# KiCad board haptic display 8x8 aisler.kicad_pcb (continued)
## Routing (per net, layer and track width the routed paths; a pad name or vN(x,y) marks a point on that pad's centre or on a via; arc(x,y) is an arc through that point) (continued)
123.09,79 122.99,79.24 122.92,79.49 122.87,79.74 122.86,80 122.88,80.26 122.93,80.51 123.01,80.75 123.12,80.98 123.26,81.2 123.42,81.4 123.6,81.57 123.81,81.73 124.03,81.85 124.26,81.95 124.5,82.02 124.75,82.06 125,82.08 125.25,82.06 125.49,82.01 125.73,81.93 125.96,81.82 126.17,81.69 126.36,81.53 126.53,81.35 126.68,81.16 126.8,80.94 126.9,80.72 126.96,80.48 127,80.24 127.01,80 126.99,79.76 126.94,79.52 126.87,79.29 126.76,79.07 126.64,78.87 126.48,78.68 126.31,78.52 126.12,78.38 125.92,78.26 125.7,78.16 125.47,78.1 125.24,78.06 125,78.05 124.75,78.07 124.5,78.13 124.26,78.21 124.04,78.33 123.83,78.47 123.64,78.64 123.48,78.84 123.35,79.05 123.24,79.27 123.17,79.51 123.12,79.75 123.11,80 123.13,80.25 123.19,80.49 123.27,80.72 123.38,80.93 123.52,81.13 123.69,81.31 123.87,81.47 124.08,81.6 124.3,81.7 124.52,81.77 124.76,81.81 125,81.83 125.24,81.8 125.47,81.75 125.69,81.67 125.9,81.56 126.1,81.43 126.27,81.27 126.42,81.09 126.54,80.89 126.64,80.68 126.71,80.46 126.75,80.23 126.76,80 126.74,79.77 126.69,79.55 126.61,79.33 126.51,79.13 126.38,78.94 126.22,78.78 126.05,78.63 125.86,78.51 125.66,78.41 125.44,78.35 125.22,78.31 125,78.3 124.76,78.32 124.52,78.38 124.3,78.47 124.09,78.59 123.91,78.74 123.74,78.91 123.6,79.1 123.49,79.31 123.42,79.54 123.37,79.77 123.36,80 123.38,80.23 123.44,80.46 123.53,80.67 123.64,80.87 123.78,81.05 123.95,81.21 124.14,81.34 124.34,81.45 124.55,81.52 124.78,81.56 125,81.58 125.22,81.55 125.44,81.5 125.65,81.42 125.84,81.31 126.01,81.17 126.16,81.01 126.29,80.83 126.39,80.64 126.46,80.43 126.5,80.22 126.51,80 126.49,79.79 126.44,79.58 126.36,79.38 126.25,79.19 126.12,79.03 125.97,78.88 125.8,78.76 125.61,78.67 125.41,78.6 125.21,78.56 125,78.55 125,78.6 124.63,78.97 124.59,78.98 ; v1(125.35,60) 125,60.35 125,60.55 124.68,60.56 124.37,60.6 124.06,60.66 123.75,60.74 123.45,60.84 123.16,60.97 122.88,61.11 122.61,61.28 122.35,61.46 122.1,61.66 121.88,61.88 121.66,62.11 121.47,62.36 121.29,62.62 121.13,62.89 120.99,63.17 120.88,63.46 120.78,63.76 120.7,64.07 120.65,64.37 120.62,64.69 120.61,65 120.63,65.31 120.66,65.62 120.72,65.93 120.8,66.23 120.9,66.53 121.02,66.82 121.17,67.09 121.33,67.36 121.51,67.61 121.71,67.85 121.92,68.08 122.15,68.29 122.39,68.48 122.65,68.66 122.92,68.81 123.2,68.95 123.48,69.07 123.78,69.16 124.08,69.23 124.38,69.29 124.69,69.32 125,69.33 125.31,69.31 125.61,69.28 125.92,69.22 126.22,69.14 126.51,69.04 126.79,68.92 127.06,68.78 127.33,68.62 127.58,68.44 127.81,68.25 128.04,68.04 128.24,67.81 128.43,67.57 128.6,67.32 128.76,67.05 128.89,66.78 129.01,66.49 129.1,66.2 129.17,65.91 129.22,65.61 129.25,65.3 129.26,65 129.25,64.7 129.21,64.39 129.16,64.1 129.08,63.8 128.98,63.52 128.86,63.24 128.72,62.97 128.57,62.71 128.39,62.46 128.2,62.23 127.99,62.01 127.77,61.8 127.53,61.62 127.28,61.45 127.02,61.3 126.75,61.16 126.47,61.05 126.19,60.96 125.89,60.89 125.6,60.84 125.3,60.81 125,60.8 124.69,60.81 124.37,60.85 124.07,60.91 123.77,61 123.47,61.1 123.19,61.23 122.91,61.38 122.65,61.55 122.4,61.74 122.16,61.94 121.95,62.17 121.74,62.4 121.56,62.66 121.4,62.92 121.26,63.2 121.13,63.48 121.03,63.78 120.96,64.08 120.9,64.38 120.87,64.69 120.86,65 120.88,65.31 120.91,65.62 120.97,65.92 121.06,66.22 121.16,66.51 121.29,66.79 121.43,67.06 121.6,67.32 121.79,67.56 121.99,67.79 122.21,68.01 122.44,68.21 122.69,68.39 122.95,68.55 123.22,68.69 123.51,68.81 123.8,68.91 124.09,68.98 124.39,69.04 124.7,69.07 125,69.08 125.3,69.06 125.61,69.02 125.9,68.96 126.2,68.88 126.48,68.78 126.76,68.66 127.03,68.51 127.28,68.35 127.52,68.17 127.75,67.97 127.96,67.75 128.16,67.52 128.33,67.27 128.49,67.02 128.63,66.75 128.75,66.47 128.85,66.19 128.92,65.89 128.97,65.6 129,65.3 129.01,65 129,64.7 128.96,64.4 128.9,64.11 128.82,63.82 128.72,63.54 128.6,63.27 128.46,63 128.3,62.75 128.12,62.51 127.92,62.29 127.71,62.08 127.48,61.89 127.24,61.72 126.99,61.56 126.72,61.43 126.45,61.31 126.17,61.21 125.88,61.14 125.59,61.09 125.3,61.06 125,61.05 124.69,61.07 124.38,61.1 124.08,61.17 123.78,61.26 123.49,61.37 123.22,61.5 122.95,61.65 122.69,61.82 122.45,62.02 122.23,62.23 122.02,62.46 121.83,62.7 121.67,62.96 121.52,63.23 121.39,63.51 121.29,63.79 121.21,64.09 121.15,64.39 121.12,64.69 121.11,65 121.13,65.3 121.17,65.61 121.23,65.91 121.31,66.2 121.42,66.48 121.55,66.76 121.7,67.02 121.88,67.27 122.07,67.51 122.27,67.73 122.5,67.93 122.74,68.11 122.99,68.28 123.25,68.42 123.53,68.55 123.81,68.65 124.1,68.73 124.4,68.78 124.7,68.82 125,68.83 125.3,68.81 125.6,68.77 125.89,68.71 126.18,68.63 126.46,68.52 126.73,68.39 126.99,68.24 127.23,68.07 127.47,67.89 127.68,67.68 127.88,67.46 128.06,67.23 128.23,66.98 128.37,66.72 128.49,66.45 128.59,66.17 128.67,65.88 128.72,65.59 128.75,65.3 128.76,65 128.75,64.71 128.71,64.41 128.65,64.12 128.57,63.84 128.46,63.57 128.34,63.3 128.19,63.05 128.02,62.8 127.84,62.57 127.64,62.36 127.42,62.17 127.19,61.99 126.94,61.83 126.69,61.69 126.42,61.57 126.15,61.47 125.87,61.39 125.58,61.34 125.29,61.31 125,61.3 124.69,61.32 124.39,61.36 124.09,61.42 123.8,61.51 123.52,61.63 123.25,61.76 122.99,61.92 122.74,62.1 122.51,62.3 122.3,62.52 122.11,62.75 121.94,63 121.78,63.26 121.65,63.53 121.55,63.81 121.46,64.1 121.41,64.4 121.37,64.7 121.36,65 121.38,65.3 121.42,65.6 121.48,65.89 121.57,66.18 121.68,66.45 121.82,66.72 121.97,66.98 122.15,67.22 122.35,67.44 122.56,67.65 122.79,67.84 123.03,68.01 123.29,68.16 123.56,68.29 123.83,68.39 124.12,68.48 124.41,68.53 124.7,68.57 125,68.58 125.29,68.56 125.59,68.52 125.88,68.46 126.16,68.37 126.43,68.26 126.69,68.13 126.94,67.97 127.18,67.8 127.4,67.61 127.61,67.4 127.79,67.17 127.96,66.93 128.11,66.68 128.23,66.42 128.33,66.14 128.41,65.86 128.47,65.58 128.5,65.29 128.51,65 128.5,64.71 128.46,64.42 128.4,64.14 128.31,63.86 128.2,63.6 128.07,63.34 127.92,63.09 127.75,62.86 127.56,62.64 127.36,62.44 127.14,62.26 126.9,62.09 126.65,61.95 126.39,61.83 126.12,61.72 125.85,61.65 125.57,61.59 125.29,61.56 125,61.55 124.7,61.57 124.4,61.61 124.11,61.68 123.82,61.77 123.55,61.89 123.29,62.03 123.04,62.19 122.8,62.38 122.58,62.58 122.38,62.8 122.21,63.04 122.05,63.3 121.91,63.56 121.8,63.84 121.72,64.12 121.66,64.41 121.62,64.7 121.61,65 121.63,65.29 121.67,65.59 121.74,65.87 121.83,66.15 121.95,66.42 122.08,66.68 122.25,66.93 122.43,67.16 122.63,67.37 122.84,67.57 123.08,67.74 123.33,67.9 123.59,68.03 123.86,68.14 124.14,68.22 124.42,68.28 124.71,68.32 125,68.33 125.29,68.31 125.58,68.27 125.86,68.2 126.13,68.11 126.4,68 126.65,67.86 126.89,67.7 127.12,67.53 127.33,67.33 127.52,67.11 127.69,66.89 127.84,66.64 127.97,66.39 128.08,66.12 128.16,65.85 128.22,65.57 128.25,65.28 128.26,65 128.25,64.72 128.21,64.43 128.14,64.16 128.05,63.89 127.94,63.63 127.81,63.38 127.65,63.14 127.48,62.92 127.28,62.72 127.07,62.53 126.85,62.36 126.61,62.21 126.36,62.08 126.1,61.98 125.83,61.9 125.56,61.84 125.28,61.81 125,61.8 124.71,61.82 124.41,61.86 124.13,61.93 123.85,62.03 123.58,62.15 123.33,62.3 123.09,62.47 122.86,62.66 122.66,62.87 122.48,63.09 122.31,63.34 122.17,63.59 122.06,63.86 121.97,64.14 121.91,64.42 121.87,64.71 121.86,65 121.88,65.29 121.92,65.58 121.99,65.86 122.09,66.13 122.21,66.39 122.35,66.64 122.52,66.88 122.7,67.09 122.91,67.29 123.13,67.47 123.37,67.63 123.62,67.77 123.88,67.88 124.16,67.97 124.43,68.03 124.72,68.07 125,68.08 125.28,68.06 125.56,68.02 125.84,67.95 126.11,67.85 126.36,67.74 126.61,67.6 126.84,67.43 127.05,67.25 127.25,67.05 127.42,66.83 127.58,66.6 127.71,66.35 127.82,66.09 127.91,65.83 127.97,65.55 128,65.28 128.01,65 128,64.72 127.95,64.45 127.89,64.18 127.8,63.92 127.68,63.67 127.54,63.43 127.38,63.2 127.2,62.99 127.01,62.8 126.79,62.63 126.56,62.47 126.32,62.34 126.07,62.24 125.81,62.15 125.54,62.09 125.27,62.06 125,62.05 124.71,62.07 124.43,62.11 124.15,62.19 123.88,62.29 123.62,62.42 123.37,62.57 123.15,62.74 122.94,62.94 122.75,63.15 122.58,63.38 122.44,63.63 122.32,63.89 122.23,64.16 122.16,64.44 122.12,64.72 122.11,65 122.13,65.28 122.18,65.56 122.25,65.83 122.35,66.1 122.47,66.35 122.62,66.59 122.79,66.81 122.98,67.02 123.19,67.2 123.42,67.37 123.66,67.51 123.91,67.62 124.18,67.71 124.45,67.78 124.72,67.82 125,67.83 125.28,67.81 125.55,67.76 125.82,67.69 126.08,67.6 126.32,67.47 126.56,67.33 126.77,67.16 126.98,66.98 127.16,66.77 127.32,66.55 127.45,66.31 127.57,66.06 127.65,65.81 127.72,65.54 127.75,65.27 127.76,65 127.75,64.73 127.7,64.46 127.63,64.2 127.54,63.95 127.42,63.71 127.28,63.48 127.11,63.26 126.93,63.07 126.73,62.89 126.51,62.74 126.28,62.6 126.04,62.49 125.79,62.41 125.53,62.34 125.27,62.31 125,62.3 124.72,62.32 124.44,62.37 124.17,62.44 123.91,62.55 123.66,62.68 123.43,62.84 123.21,63.02 123.02,63.22 122.85,63.44 122.7,63.67 122.58,63.92 122.48,64.18 122.41,64.45 122.37,64.72 122.36,65 122.38,65.28 122.43,65.55 122.5,65.81 122.61,66.07 122.73,66.31 122.89,66.54 123.06,66.75 123.26,66.94 123.47,67.1 123.7,67.25 123.95,67.37 124.2,67.46 124.46,67.53 124.73,67.57 125,67.58 125.27,67.56 125.53,67.51 125.79,67.44 126.04,67.34 126.28,67.21 126.5,67.06 126.7,66.89 126.89,66.7 127.05,66.49 127.19,66.27 127.31,66.03 127.4,65.78 127.47,65.52 127.5,65.26 127.51,65 127.49,64.74 127.45,64.48 127.38,64.23 127.28,63.98 127.16,63.75 127.01,63.54 126.85,63.34 126.66,63.16 126.45,63 126.24,62.86 126,62.75 125.76,62.66 125.51,62.6 125.26,62.56 125,62.55 124.73,62.57 124.46,62.62 124.2,62.7 123.94,62.81 123.71,62.94 123.49,63.11 123.29,63.29 123.11,63.49 122.96,63.72 122.83,63.96 122.73,64.21 122.66,64.47 122.62,64.73 122.61,65 122.63,65.27 122.68,65.53 122.76,65.78 122.87,66.03 123,66.26 123.15,66.47 123.33,66.67 123.53,66.84 123.75,66.99 123.98,67.11 124.23,67.21 124.48,67.28 124.74,67.31 125,67.33 125.26,67.31 125.52,67.26 125.76,67.18 126,67.08 126.23,66.95 126.43,66.8 126.62,66.62 126.79,66.43 126.93,66.22 127.05,65.99 127.15,65.75 127.21,65.51 127.25,65.25 127.26,65 127.24,64.75 127.2,64.5 127.12,64.26 127.02,64.03 126.9,63.81 126.75,63.61 126.58,63.42 126.39,63.26 126.18,63.12 125.96,63 125.73,62.91 125.49,62.85 125.25,62.81 125,62.8 124.74,62.82 124.48,62.87 124.22,62.96 123.99,63.07 123.76,63.21 123.56,63.37 123.38,63.56 123.22,63.77 123.09,64 122.99,64.24 122.92,64.49 122.87,64.74 122.86,65 122.88,65.26 122.93,65.51 123.01,65.75 123.12,65.98 123.26,66.2 123.42,66.4 123.6,66.57 123.81,66.73 124.03,66.85 124.26,66.95 124.5,67.02 124.75,67.06 125,67.08 125.25,67.06 125.49,67.01 125.73,66.93 125.96,66.82 126.17,66.69 126.36,66.53 126.53,66.35 126.68,66.16 126.8,65.94 126.9,65.72 126.96,65.48 127,65.24 127.01,65 126.99,64.76 126.94,64.52 126.87,64.29 126.76,64.07 126.64,63.87 126.48,63.68 126.31,63.52 126.12,63.38 125.92,63.26 125.7,63.16 125.47,63.1 125.24,63.06 125,63.05 124.75,63.07 124.5,63.13 124.26,63.21 124.04,63.33 123.83,63.47 123.64,63.64 123.48,63.84 123.35,64.05 123.24,64.27 123.17,64.51 123.12,64.75 123.11,65 123.13,65.25 123.19,65.49 123.27,65.72 123.38,65.93 123.52,66.13 123.69,66.31 123.87,66.47 124.08,66.6 124.3,66.7 124.52,66.77 124.76,66.81 125,66.83 125.24,66.8 125.47,66.75 125.69,66.67 125.9,66.56 126.1,66.43 126.27,66.27 126.42,66.09 126.54,65.89 126.64,65.68 126.71,65.46 126.75,65.23 126.76,65 126.74,64.77 126.69,64.55 126.61,64.33 126.51,64.13 126.38,63.94 126.22,63.78 126.05,63.63 125.86,63.51 125.66,63.41 125.44,63.35 125.22,63.31 125,63.3 124.76,63.32 124.52,63.38 124.3,63.47 124.09,63.59 123.91,63.74 123.74,63.91 123.6,64.1 123.49,64.31 123.42,64.54 123.37,64.77 123.36,65 123.38,65.23 123.44,65.46 123.53,65.67 123.64,65.87 123.78,66.05 123.95,66.21 124.14,66.34 124.34,66.45 124.55,66.52 124.78,66.56 125,66.58 125.22,66.55 125.44,66.5 125.65,66.42 125.84,66.31 126.01,66.17 126.16,66.01 126.29,65.83 126.39,65.64 126.46,65.43 126.5,65.22 126.51,65 126.49,64.79 126.44,64.58 126.36,64.38 126.25,64.19 126.12,64.03 125.97,63.88 125.8,63.76 125.61,63.67 125.41,63.6 125.21,63.56 125,63.55 125,63.6 124.63,63.97 124.59,63.98 ; v1(125.35,45) 125,45.35 125,45.55 124.68,45.56 124.37,45.6 124.06,45.66 123.75,45.74 123.45,45.84 123.16,45.97 122.88,46.11 122.61,46.28 122.35,46.46 122.1,46.66 121.88,46.88 121.66,47.11 121.47,47.36 121.29,47.62 121.13,47.89 120.99,48.17 120.88,48.46 120.78,48.76 120.7,49.07 120.65,49.37 120.62,49.69 120.61,50 120.63,50.31 120.66,50.62 120.72,50.93 120.8,51.23 120.9,51.53 121.02,51.82 121.17,52.09 121.33,52.36 121.51,52.61 121.71,52.85 121.92,53.08 122.15,53.29 122.39,53.48 122.65,53.66 122.92,53.81 123.2,53.95 123.48,54.07 123.78,54.16 124.08,54.23 124.38,54.29 124.69,54.32 125,54.33 125.31,54.31 125.61,54.28 125.92,54.22 126.22,54.14 126.51,54.04 126.79,53.92 127.06,53.78 127.33,53.62 127.58,53.44 127.81,53.25 128.04,53.04 128.24,52.81 128.43,52.57 128.6,52.32 128.76,52.05 128.89,51.78 129.01,51.49 129.1,51.2 129.17,50.91 129.22,50.61 129.25,50.3 129.26,50 129.25,49.7 129.21,49.39 129.16,49.1 129.08,48.8 128.98,48.52 128.86,48.24 128.72,47.97 128.57,47.71 128.39,47.46 128.2,47.23 127.99,47.01 127.77,46.8 127.53,46.62 127.28,46.45 127.02,46.3 126.75,46.16 126.47,46.05 126.19,45.96 125.89,45.89 125.6,45.84 125.3,45.81 125,45.8 124.69,45.81 124.37,45.85 124.07,45.91 123.77,46 123.47,46.1 123.19,46.23 122.91,46.38 122.65,46.55 122.4,46.74 122.16,46.94 121.95,47.17 121.74,47.4 121.56,47.66 121.4,47.92 121.26,48.2 121.13,48.48 121.03,48.78 120.96,49.08 120.9,49.38 120.87,49.69 120.86,50 120.88,50.31 120.91,50.62 120.97,50.92 121.06,51.22 121.16,51.51 121.29,51.79 121.43,52.06 121.6,52.32 121.79,52.56 121.99,52.79 122.21,53.01 122.44,53.21 122.69,53.39 122.95,53.55 123.22,53.69 123.51,53.81 123.8,53.91 124.09,53.98 124.39,54.04 124.7,54.07 125,54.08 125.3,54.06 125.61,54.02 125.9,53.96 126.2,53.88 126.48,53.78 126.76,53.66 127.03,53.51 127.28,53.35 127.52,53.17 127.75,52.97 127.96,52.75 128.16,52.52 128.33,52.27 128.49,52.02 128.63,51.75 128.75,51.47 128.85,51.19 128.92,50.89 128.97,50.6 129,50.3 129.01,50 129,49.7 128.96,49.4 128.9,49.11 128.82,48.82 128.72,48.54 128.6,48.27 128.46,48 128.3,47.75 128.12,47.51 127.92,47.29 127.71,47.08 127.48,46.89 127.24,46.72 126.99,46.56 126.72,46.43 126.45,46.31 126.17,46.21 125.88,46.14 125.59,46.09 125.3,46.06 125,46.05 124.69,46.07 124.38,46.1 124.08,46.17 123.78,46.26 123.49,46.37 123.22,46.5 122.95,46.65 122.69,46.82 122.45,47.02 122.23,47.23 122.02,47.46 121.83,47.7 121.67,47.96 121.52,48.23 121.39,48.51 121.29,48.79 121.21,49.09 121.15,49.39 121.12,49.69 121.11,50 121.13,50.3 121.17,50.61 121.23,50.91 121.31,51.2 121.42,51.48 121.55,51.76 121.7,52.02 121.88,52.27 122.07,52.51 122.27,52.73 122.5,52.93 122.74,53.11 122.99,53.28 123.25,53.42 123.53,53.55 123.81,53.65 124.1,53.73 124.4,53.78 124.7,53.82 125,53.83 125.3,53.81 125.6,53.77 125.89,53.71 126.18,53.63 126.46,53.52 126.73,53.39 126.99,53.24 127.23,53.07 127.47,52.89 127.68,52.68 127.88,52.46 128.06,52.23 128.23,51.98 128.37,51.72 128.49,51.45 128.59,51.17 128.67,50.88 128.72,50.59 128.75,50.3 128.76,50 128.75,49.71 128.71,49.41 128.65,49.12 128.57,48.84 128.46,48.57 128.34,48.3 128.19,48.05 128.02,47.8 127.84,47.57 127.64,47.36 127.42,47.17 127.19,46.99 126.94,46.83 126.69,46.69 126.42,46.57 126.15,46.47 125.87,46.39 125.58,46.34 125.29,46.31 125,46.3 124.69,46.32 124.39,46.36 124.09,46.42 123.8,46.51 123.52,46.63 123.25,46.76 122.99,46.92 122.74,47.1 122.51,47.3 122.3,47.52 122.11,47.75 121.94,48 121.78,48.26 121.65,48.53 121.55,48.81 121.46,49.1 121.41,49.4 121.37,49.7 121.36,50 121.38,50.3 121.42,50.6 121.48,50.89 121.57,51.18 121.68,51.45 121.82,51.72 121.97,51.98 122.15,52.22 122.35,52.44 122.56,52.65 122.79,52.84 123.03,53.01 123.29,53.16 123.56,53.29 123.83,53.39 124.12,53.48 124.41,53.53 124.7,53.57 125,53.58 125.29,53.56 125.59,53.52 125.88,53.46 126.16,53.37 126.43,53.26 126.69,53.13 126.94,52.97 127.18,52.8 127.4,52.61 127.61,52.4 127.79,52.17 127.96,51.93 128.11,51.68 128.23,51.42 128.33,51.14 128.41,50.86 128.47,50.58 128.5,50.29 128.51,50 128.5,49.71 128.46,49.42 128.4,49.14 128.31,48.86 128.2,48.6 128.07,48.34 127.92,48.09 127.75,47.86 127.56,47.64 127.36,47.44 127.14,47.26 126.9,47.09 126.65,46.95 126.39,46.83 126.12,46.72 125.85,46.65 125.57,46.59 125.29,46.56 125,46.55 124.7,46.57 124.4,46.61 124.11,46.68 123.82,46.77 123.55,46.89 123.29,47.03 123.04,47.19 122.8,47.38 122.58,47.58 122.38,47.8 122.21,48.04 122.05,48.3 121.91,48.56 121.8,48.84 121.72,49.12 121.66,49.41 121.62,49.7 121.61,50 121.63,50.29 121.67,50.59 121.74,50.87 121.83,51.15 121.95,51.42 122.08,51.68 122.25,51.93 122.43,52.16 122.63,52.37 122.84,52.57 123.08,52.74 123.33,52.9 123.59,53.03 123.86,53.14 124.14,53.22 124.42,53.28 124.71,53.32 125,53.33 125.29,53.31 125.58,53.27 125.86,53.2 126.13,53.11 126.4,53 126.65,52.86 126.89,52.7 127.12,52.53 127.33,52.33 127.52,52.11 127.69,51.89 127.84,51.64 127.97,51.39 128.08,51.12 128.16,50.85 128.22,50.57 128.25,50.28 128.26,50 128.25,49.72 128.21,49.43 128.14,49.16 128.05,48.89 127.94,48.63 127.81,48.38 127.65,48.14 127.48,47.92 127.28,47.72 127.07,47.53 126.85,47.36 126.61,47.21 126.36,47.08 126.1,46.98 125.83,46.9 125.56,46.84 125.28,46.81 125,46.8 124.71,46.82 124.41,46.86 124.13,46.93 123.85,47.03 123.58,47.15 123.33,47.3 123.09,47.47 122.86,47.66 122.66,47.87 122.48,48.09 122.31,48.34 122.17,48.59 122.06,48.86 121.97,49.14 121.91,49.42 121.87,49.71 121.86,50 121.88,50.29 121.92,50.58 121.99,50.86 122.09,51.13 122.21,51.39 122.35,51.64 122.52,51.88 122.7,52.09 122.91,52.29 123.13,52.47 123.37,52.63 123.62,52.77 123.88,52.88 124.16,52.97 124.43,53.03 124.72,53.07 125,53.08 125.28,53.06 125.56,53.02 125.84,52.95 126.11,52.85 126.36,52.74 126.61,52.6 126.84,52.43 127.05,52.25 127.25,52.05 127.42,51.83 127.58,51.6 127.71,51.35 127.82,51.09 127.91,50.83 127.97,50.55 128,50.28 128.01,50 128,49.72 127.95,49.45 127.89,49.18 127.8,48.92 127.68,48.67 127.54,48.43 127.38,48.2 127.2,47.99 127.01,47.8 126.79,47.63 126.56,47.47 126.32,47.34 126.07,47.24 125.81,47.15 125.54,47.09 125.27,47.06 125,47.05 124.71,47.07 124.43,47.11 124.15,47.19 123.88,47.29 123.62,47.42 123.37,47.57 123.15,47.74 122.94,47.94 122.75,48.15 122.58,48.38 122.44,48.63 122.32,48.89 122.23,49.16 122.16,49.44 122.12,49.72 122.11,50 122.13,50.28 122.18,50.56 122.25,50.83 122.35,51.1 122.47,51.35 122.62,51.59 122.79,51.81 122.98,52.02 123.19,52.2 123.42,52.37 123.66,52.51 123.91,52.62 124.18,52.71 124.45,52.78 124.72,52.82 125,52.83 125.28,52.81 125.55,52.76 125.82,52.69 126.08,52.6 126.32,52.47 126.56,52.33 126.77,52.16 126.98,51.98 127.16,51.77 127.32,51.55 127.45,51.31 127.57,51.06 127.65,50.81 127.72,50.54 127.75,50.27 127.76,50 127.75,49.73 127.7,49.46 127.63,49.2 127.54,48.95 127.42,48.71 127.28,48.48 127.11,48.26 126.93,48.07 126.73,47.89 126.51,47.74 126.28,47.6 126.04,47.49 125.79,47.41 125.53,47.34 125.27,47.31 125,47.3 124.72,47.32 124.44,47.37 124.17,47.44 123.91,47.55 123.66,47.68 123.43,47.84 123.21,48.02 123.02,48.22 122.85,48.44 122.7,48.67 122.58,48.92 122.48,49.18 122.41,49.45 122.37,49.72 122.36,50 122.38,50.28 122.43,50.55 122.5,50.81 122.61,51.07 122.73,51.31 122.89,51.54 123.06,51.75 123.26,51.94 123.47,52.1 123.7,52.25 123.95,52.37 124.2,52.46 124.46,52.53 124.73,52.57 125,52.58 125.27,52.56 125.53,52.51 125.79,52.44 126.04,52.34 126.28,52.21 126.5,52.06 126.7,51.89 126.89,51.7 127.05,51.49 127.19,51.27 127.31,51.03 127.4,50.78 127.47,50.52 127.5,50.26 127.51,50 127.49,49.74 127.45,49.48 127.38,49.23 127.28,48.98 127.16,48.75 127.01,48.54 126.85,48.34 126.66,48.16 126.45,48 126.24,47.86 126,47.75 125.76,47.66 125.51,47.6 125.26,47.56 125,47.55 124.73,47.57 124.46,47.62 124.2,47.7 123.94,47.81 123.71,47.94 123.49,48.11 123.29,48.29 123.11,48.49 122.96,48.72 122.83,48.96 122.73,49.21 122.66,49.47 122.62,49.73 122.61,50 122.63,50.27 122.68,50.53 122.76,50.78 122.87,51.03 123,51.26 123.15,51.47 123.33,51.67 123.53,51.84 123.75,51.99 123.98,52.11 124.23,52.21 124.48,52.28 124.74,52.31 125,52.33 125.26,52.31 125.52,52.26 125.76,52.18 126,52.08 126.23,51.95 126.43,51.8 126.62,51.62 126.79,51.43 126.93,51.22 127.05,50.99 127.15,50.75 127.21,50.51 127.25,50.25 127.26,50 127.24,49.75 127.2,49.5 127.12,49.26 127.02,49.03 126.9,48.81 126.75,48.61 126.58,48.42 126.39,48.26 126.18,48.12 125.96,48 125.73,47.91 125.49,47.85 125.25,47.81 125,47.8 124.74,47.82 124.48,47.87 124.22,47.96 123.99,48.07 123.76,48.21 123.56,48.37 123.38,48.56 123.22,48.77 123.09,49 122.99,49.24 122.92,49.49 122.87,49.74 122.86,50 122.88,50.26 122.93,50.51 123.01,50.75 123.12,50.98 123.26,51.2 123.42,51.4 123.6,51.57 123.81,51.73 124.03,51.85 124.26,51.95 124.5,52.02 124.75,52.06 125,52.08 125.25,52.06 125.49,52.01 125.73,51.93 125.96,51.82 126.17,51.69 126.36,51.53 126.53,51.35 126.68,51.16 126.8,50.94 126.9,50.72 126.96,50.48 127,50.24 127.01,50 126.99,49.76 126.94,49.52 126.87,49.29 126.76,49.07 126.64,48.87 126.48,48.68 126.31,48.52 126.12,48.38 125.92,48.26 125.7,48.16 125.47,48.1 125.24,48.06 125,48.05 124.75,48.07 124.5,48.13 124.26,48.21 124.04,48.33 123.83,48.47 123.64,48.64 123.48,48.84 123.35,49.05 123.24,49.27 123.17,49.51 123.12,49.75 123.11,50 123.13,50.25 123.19,50.49 123.27,50.72 123.38,50.93 123.52,51.13 123.69,51.31 123.87,51.47 124.08,51.6 124.3,51.7 124.52,51.77 124.76,51.81 125,51.83 125.24,51.8 125.47,51.75 125.69,51.67 125.9,51.56 126.1,51.43 126.27,51.27 126.42,51.09 126.54,50.89 126.64,50.68 126.71,50.46 126.75,50.23 126.76,50 126.74,49.77 126.69,49.55 126.61,49.33 126.51,49.13 126.38,48.94 126.22,48.78 126.05,48.63 125.86,48.51 125.66,48.41 125.44,48.35 125.22,48.31 125,48.3 124.76,48.32 124.52,48.38 124.3,48.47 124.09,48.59 123.91,48.74 123.74,48.91 123.6,49.1 123.49,49.31 123.42,49.54 123.37,49.77 123.36,50 123.38,50.23 123.44,50.46 123.53,50.67 123.64,50.87 123.78,51.05 123.95,51.21 124.14,51.34 124.34,51.45 124.55,51.52 124.78,51.56 125,51.58 125.22,51.55 125.44,51.5 125.65,51.42 125.84,51.31 126.01,51.17 126.16,51.01 126.29,50.83 126.39,50.64 126.46,50.43 126.5,50.22 126.51,50 126.49,49.79 126.44,49.58 126.36,49.38 126.25,49.19 126.12,49.03 125.97,48.88 125.8,48.76 125.61,48.67 125.41,48.6 125.21,48.56 125,48.55 125,48.6 124.63,48.97 124.59,48.98 ; v1(125.35,30) 125,30.35 125,30.55 124.68,30.56 124.37,30.6 124.06,30.66 123.75,30.74 123.45,30.84 123.16,30.97 122.88,31.11 122.61,31.28 122.35,31.46 122.1,31.66 121.88,31.88 121.66,32.11 121.47,32.36 121.29,32.62 121.13,32.89 120.99,33.17 120.88,33.46 120.78,33.76 120.7,34.07 120.65,34.37 120.62,34.69 120.61,35 120.63,35.31 120.66,35.62 120.72,35.93 120.8,36.23 120.9,36.53 121.02,36.82 121.17,37.09 121.33,37.36 121.51,37.61 121.71,37.85 121.92,38.08 122.15,38.29 122.39,38.48 122.65,38.66 122.92,38.81 123.2,38.95 123.48,39.07 123.78,39.16 124.08,39.23 124.38,39.29 124.69,39.32 125,39.32 125.31,39.31 125.61,39.28 125.92,39.22 126.22,39.14 126.51,39.04 126.79,38.92 127.06,38.78 127.33,38.62 127.58,38.44 127.81,38.25 128.04,38.04 128.24,37.81 128.43,37.57 128.6,37.32 128.76,37.05 128.89,36.78 129.01,36.49 129.1,36.2 129.17,35.91 129.22,35.61 129.25,35.3 129.26,35 129.25,34.7 129.21,34.39 129.16,34.1 129.08,33.8 128.98,33.52 128.86,33.24 128.72,32.97 128.57,32.71 128.39,32.46 128.2,32.23 127.99,32.01 127.77,31.8 127.53,31.62 127.28,31.45 127.02,31.3 126.75,31.16 126.47,31.05 126.19,30.96 125.89,30.89 125.6,30.84 125.3,30.81 125,30.8 124.69,30.81 124.37,30.85 124.07,30.91 123.77,31 123.47,31.1 123.19,31.23 122.91,31.38 122.65,31.55 122.4,31.74 122.16,31.94 121.95,32.17 121.74,32.4 121.56,32.66 121.4,32.92 121.26,33.2 121.13,33.48 121.03,33.78 120.96,34.08 120.9,34.38 120.87,34.69 120.86,35 120.88,35.31 120.91,35.62 120.97,35.92 121.06,36.22 121.16,36.51 121.29,36.79 121.43,37.06 121.6,37.32 121.79,37.56 121.99,37.79 122.21,38.01 122.44,38.21 122.69,38.39 122.95,38.55 123.22,38.69 123.51,38.81 123.8,38.91 124.09,38.98 124.39,39.04 124.7,39.07 125,39.07 125.3,39.06 125.61,39.02 125.9,38.96 126.2,38.88 126.48,38.78 126.76,38.66 127.03,38.51 127.28,38.35 127.52,38.17 127.75,37.97 127.96,37.75 128.16,37.52 128.33,37.27 128.49,37.02 128.63,36.75 128.75,36.47 128.85,36.19 128.92,35.89 128.97,35.6 129,35.3 129.01,35 129,34.7 128.96,34.4 128.9,34.11 128.82,33.82 128.72,33.54 128.6,33.27 128.46,33 128.3,32.75 128.12,32.51 127.92,32.29 127.71,32.08 127.48,31.89 127.24,31.72 126.99,31.56 126.72,31.43 126.45,31.31 126.17,31.21 125.88,31.14 125.59,31.09 125.3,31.06 125,31.05 124.69,31.07 124.38,31.1 124.08,31.17 123.78,31.26 123.49,31.37 123.22,31.5 122.95,31.65 122.69,31.82 122.45,32.02 122.23,32.23 122.02,32.46 121.83,32.7 121.67,32.96 121.52,33.23 121.39,33.51 121.29,33.79 121.21,34.09 121.15,34.39 121.12,34.69 121.11,35 121.13,35.3 121.17,35.61 121.23,35.91 121.31,36.2 121.42,36.48 121.55,36.76 121.7,37.02 121.88,37.27 122.07,37.51 122.27,37.73 122.5,37.93 122.74,38.11 122.99,38.28 123.25,38.42 123.53,38.55 123.81,38.65 124.1,38.73 124.4,38.78 124.7,38.82 125,38.82 125.3,38.81 125.6,38.77 125.89,38.71 126.18,38.63 126.46,38.52 126.73,38.39 126.99,38.24 127.23,38.07 127.47,37.89 127.68,37.68 127.88,37.46 128.06,37.23 128.23,36.98 128.37,36.72 128.49,36.45 128.59,36.17 128.67,35.88 128.72,35.59 128.75,35.3 128.76,35 128.75,34.71 128.71,34.41 128.65,34.12 128.57,33.84 128.46,33.57 128.34,33.3 128.19,33.05 128.02,32.8 127.84,32.57 127.64,32.36 127.42,32.17 127.19,31.99 126.94,31.83 126.69,31.69 126.42,31.57 126.15,31.47 125.87,31.39 125.58,31.34 125.29,31.31 125,31.3 124.69,31.32 124.39,31.36 124.09,31.42 123.8,31.51 123.52,31.63 123.25,31.76 122.99,31.92 122.74,32.1 122.51,32.3 122.3,32.52 122.11,32.75 121.94,33 121.78,33.26 121.65,33.53 121.55,33.81 121.46,34.1 121.41,34.4 121.37,34.7 121.36,35 121.38,35.3 121.42,35.6 121.48,35.89 121.57,36.18 121.68,36.45 121.82,36.72 121.97,36.98 122.15,37.22 122.35,37.44 122.56,37.65 122.79,37.84 123.03,38.01 123.29,38.16 123.56,38.29 123.83,38.39 124.12,38.48 124.41,38.53 124.7,38.57 125,38.57 125.29,38.56 125.59,38.52 125.88,38.46 126.16,38.37 126.43,38.26 126.69,38.13 126.94,37.97 127.18,37.8 127.4,37.61 127.61,37.4 127.79,37.17 127.96,36.93 128.11,36.68 128.23,36.42 128.33,36.14 128.41,35.86 128.47,35.58 128.5,35.29 128.51,35 128.5,34.71 128.46,34.42 128.4,34.14 128.31,33.86 128.2,33.6 128.07,33.34 127.92,33.09 127.75,32.86 127.56,32.64 127.36,32.44 127.14,32.26 126.9,32.09 126.65,31.95 126.39,31.83 126.12,31.72 125.85,31.65 125.57,31.59 125.29,31.56 125,31.55 124.7,31.57 124.4,31.61 124.11,31.68 123.82,31.77 123.55,31.89 123.29,32.03 123.04,32.19 122.8,32.38 122.58,32.58 122.38,32.8 122.21,33.04 122.05,33.3 121.91,33.56 121.8,33.84 121.72,34.12 121.66,34.41 121.62,34.7 121.61,35 121.63,35.29 121.67,35.59 121.74,35.87 121.83,36.15 121.95,36.42 122.08,36.68 122.25,36.93 122.43,37.16 122.63,37.37 122.84,37.57 123.08,37.74 123.33,37.9 123.59,38.03 123.86,38.14 124.14,38.22 124.42,38.28 124.71,38.32 125,38.32 125.29,38.31 125.58,38.27 125.86,38.2 126.13,38.11 126.4,38 126.65,37.86 126.89,37.7 127.12,37.53 127.33,37.33 127.52,37.11 127.69,36.89 127.84,36.64 127.97,36.39 128.08,36.12 128.16,35.85 128.22,35.57 128.25,35.28 128.26,35 128.25,34.72 128.21,34.43 128.14,34.16 128.05,33.89 127.94,33.63 127.81,33.38 127.65,33.14 127.48,32.92 127.28,32.72 127.07,32.53 126.85,32.36 126.61,32.21 126.36,32.08 126.1,31.98 125.83,31.9 125.56,31.84 125.28,31.81 125,31.8 124.71,31.82 124.41,31.86 124.13,31.93 123.85,32.03 123.58,32.15 123.33,32.3 123.09,32.47 122.86,32.66 122.66,32.87 122.48,33.09 122.31,33.34 122.17,33.59 122.06,33.86 121.97,34.14 121.91,34.42 121.87,34.71 121.86,35 121.88,35.29 121.92,35.58 121.99,35.86 122.09,36.13 122.21,36.39 122.35,36.64 122.52,36.88 122.7,37.09 122.91,37.29 123.13,37.47 123.37,37.63 123.62,37.77 123.88,37.88 124.16,37.97 124.43,38.03 124.72,38.07 125,38.07 125.28,38.06 125.56,38.02 125.84,37.95 126.11,37.85 126.36,37.74 126.61,37.6 126.84,37.43 127.05,37.25 127.25,37.05 127.42,36.83 127.58,36.6 127.71,36.35 127.82,36.09 127.91,35.83 127.97,35.55 128,35.28 128.01,35 128,34.72 127.95,34.45 127.89,34.18 127.8,33.92 127.68,33.67 127.54,33.43 127.38,33.2 127.2,32.99 127.01,32.8 126.79,32.63 126.56,32.47 126.32,32.34 126.07,32.24 125.81,32.15 125.54,32.09 125.27,32.06 125,32.05 124.71,32.07 124.43,32.11 124.15,32.19 123.88,32.29 123.62,32.42 123.37,32.57 123.15,32.74 122.94,32.94 122.75,33.15 122.58,33.38 122.44,33.63 122.32,33.89 122.23,34.16 122.16,34.44 122.12,34.72 122.11,35 122.13,35.28 122.18,35.56 122.25,35.83 122.35,36.1 122.47,36.35 122.62,36.59 122.79,36.81 122.98,37.02 123.19,37.2 123.42,37.37 123.66,37.51 123.91,37.62 124.18,37.71 124.45,37.78 124.72,37.82 125,37.82 125.28,37.81 125.55,37.76 125.82,37.69 126.08,37.6 126.32,37.47 126.56,37.33 126.77,37.16 126.98,36.98 127.16,36.77 127.32,36.55 127.45,36.31 127.57,36.06 127.65,35.81 127.72,35.54 127.75,35.27 127.76,35 127.75,34.73 127.7,34.46 127.63,34.2 127.54,33.95 127.42,33.71 127.28,33.48 127.11,33.26 126.93,33.07 126.73,32.89 126.51,32.74 126.28,32.6 126.04,32.49 125.79,32.41 125.53,32.34 125.27,32.31 125,32.3 124.72,32.32 124.44,32.37 124.17,32.44 123.91,32.55 123.66,32.68 123.43,32.84 123.21,33.02 123.02,33.22 122.85,33.44 122.7,33.67 122.58,33.92 122.48,34.18 122.41,34.45 122.37,34.72 122.36,35 122.38,35.28 122.43,35.55 122.5,35.81 122.61,36.07 122.73,36.31 122.89,36.54 123.06,36.75 123.26,36.94 123.47,37.1 123.7,37.25 123.95,37.37 124.2,37.46 124.46,37.53 124.73,37.57 125,37.57 125.27,37.56 125.53,37.51 125.79,37.44 126.04,37.34 126.28,37.21 126.5,37.06 126.7,36.89 126.89,36.7 127.05,36.49 127.19,36.27 127.31,36.03 127.4,35.78 127.47,35.52 127.5,35.26 127.51,35 127.49,34.74 127.45,34.48 127.38,34.23 127.28,33.98 127.16,33.75 127.01,33.54 126.85,33.34 126.66,33.16 126.45,33 126.24,32.86 126,32.75 125.76,32.66 125.51,32.6 125.26,32.56 125,32.55 124.73,32.57 124.46,32.62 124.2,32.7 123.94,32.81 123.71,32.94 123.49,33.11 123.29,33.29 123.11,33.49 122.96,33.72 122.83,33.96 122.73,34.21 122.66,34.47 122.62,34.73 122.61,35 122.63,35.27 122.68,35.53 122.76,35.78 122.87,36.03 123,36.26 123.15,36.47 123.33,36.67 123.53,36.84 123.75,36.99 123.98,37.11 124.23,37.21 124.48,37.28 124.74,37.31 125,37.32 125.26,37.31 125.52,37.26 125.76,37.18 126,37.08 126.23,36.95 126.43,36.8 126.62,36.62 126.79,36.43 126.93,36.22 127.05,35.99 127.15,35.75 127.21,35.51 127.25,35.25 127.26,35 127.24,34.75 127.2,34.5 127.12,34.26 127.02,34.03 126.9,33.81 126.75,33.61 126.58,33.42 126.39,33.26 126.18,33.12 125.96,33 125.73,32.91 125.49,32.85 125.25,32.81 125,32.8 124.74,32.82 124.48,32.87 124.22,32.96 123.99,33.07 123.76,33.21 123.56,33.37 123.38,33.56 123.22,33.77 123.09,34 122.99,34.24 122.92,34.49 122.87,34.74 122.86,35 122.88,35.26 122.93,35.51 123.01,35.75 123.12,35.98 123.26,36.2 123.42,36.4 123.6,36.57 123.81,36.73 124.03,36.85 124.26,36.95 124.5,37.02 124.75,37.06 125,37.07 125.25,37.06 125.49,37.01 125.73,36.93 125.96,36.82 126.17,36.69 126.36,36.53 126.53,36.35 126.68,36.16 126.8,35.94 126.9,35.72 126.96,35.48 127,35.24 127.01,35 126.99,34.76 126.94,34.52 126.87,34.29 126.76,34.07 126.64,33.87 126.48,33.68 126.31,33.52 126.12,33.38 125.92,33.26 125.7,33.16 125.47,33.1 125.24,33.06 125,33.05 124.75,33.07 124.5,33.13 124.26,33.21 124.04,33.33 123.83,33.47 123.64,33.64 123.48,33.84 123.35,34.05 123.24,34.27 123.17,34.51 123.12,34.75 123.11,35 123.13,35.25 123.19,35.49 123.27,35.72 123.38,35.93 123.52,36.13 123.69,36.31 123.87,36.47 124.08,36.6 124.3,36.7 124.52,36.77 124.76,36.81 125,36.82 125.24,36.8 125.47,36.75 125.69,36.67 125.9,36.56 126.1,36.43 126.27,36.27 126.42,36.09 126.54,35.89 126.64,35.68 126.71,35.46 126.75,35.23 126.76,35 126.74,34.77 126.69,34.55 126.61,34.33 126.51,34.13 126.38,33.94 126.22,33.78 126.05,33.63 125.86,33.51 125.66,33.41 125.44,33.35 125.22,33.31 125,33.3 124.76,33.32 124.52,33.38 124.3,33.47 124.09,33.59 123.91,33.74 123.74,33.91 123.6,34.1 123.49,34.31 123.42,34.54 123.37,34.77 123.36,35 123.38,35.23 123.44,35.46 123.53,35.67 123.64,35.87 123.78,36.05 123.95,36.21 124.14,36.34 124.34,36.45 124.55,36.52 124.78,36.56 125,36.57 125.22,36.55 125.44,36.5 125.65,36.42 125.84,36.31 126.01,36.17 126.16,36.01 126.29,35.83 126.39,35.64 126.46,35.43 126.5,35.22 126.51,35 126.49,34.79 126.44,34.58 126.36,34.38 126.25,34.19 126.12,34.03 125.97,33.88 125.8,33.76 125.61,33.67 125.41,33.6 125.21,33.56 125,33.55 125,33.6 124.63,33.97 124.59,33.98 ; v1(125.35,15) 125,15.35 125,15.55 124.68,15.56 124.37,15.6 124.06,15.66 123.75,15.74 123.45,15.84 123.16,15.97 122.88,16.11 122.61,16.28 122.35,16.46 122.1,16.66 121.88,16.88 121.66,17.11 121.47,17.36 121.29,17.62 121.13,17.89 120.99,18.17 120.88,18.46 120.78,18.76 120.7,19.07 120.65,19.37 120.62,19.69 120.61,20 120.63,20.31 120.66,20.62 120.72,20.93 120.8,21.23 120.9,21.53 121.02,21.82 121.17,22.09 121.33,22.36 121.51,22.61 121.71,22.85 121.92,23.08 122.15,23.29 122.39,23.48 122.65,23.66 122.92,23.81 123.2,23.95 123.48,24.07 123.78,24.16 124.08,24.23 124.38,24.29 124.69,24.32 125,24.32 125.31,24.31 125.61,24.28 125.92,24.22 126.22,24.14 126.51,24.04 126.79,23.92 127.06,23.78 127.33,23.62 127.58,23.44 127.81,23.25 128.04,23.04 128.24,22.81 128.43,22.57 128.6,22.32 128.76,22.05 128.89,21.78 129.01,21.49 129.1,21.2 129.17,20.91 129.22,20.61 129.25,20.3 129.26,20 129.25,19.7 129.21,19.39 129.16,19.1 129.08,18.8 128.98,18.52 128.86,18.24 128.72,17.97 128.57,17.71 128.39,17.46 128.2,17.23 127.99,17.01 127.77,16.8 127.53,16.62 127.28,16.45 127.02,16.3 126.75,16.16 126.47,16.05 126.19,15.96 125.89,15.89 125.6,15.84 125.3,15.81 125,15.8 124.69,15.81 124.37,15.85 124.07,15.91 123.77,16 123.47,16.1 123.19,16.23 122.91,16.38 122.65,16.55 122.4,16.74 122.16,16.94 121.95,17.17 121.74,17.4 121.56,17.66 121.4,17.92 121.26,18.2 121.13,18.48 121.03,18.78 120.96,19.08 120.9,19.38 120.87,19.69 120.86,20 120.88,20.31 120.91,20.62 120.97,20.92 121.06,21.22 121.16,21.51 121.29,21.79 121.43,22.06 121.6,22.32 121.79,22.56 121.99,22.79 122.21,23.01 122.44,23.21 122.69,23.39 122.95,23.55 123.22,23.69 123.51,23.81 123.8,23.91 124.09,23.98 124.39,24.04 124.7,24.07 125,24.07 125.3,24.06 125.61,24.02 125.9,23.96 126.2,23.88 126.48,23.78 126.76,23.66 127.03,23.51 127.28,23.35 127.52,23.17 127.75,22.97 127.96,22.75 128.16,22.52 128.33,22.27 128.49,22.02 128.63,21.75 128.75,21.47 128.85,21.19 128.92,20.89 128.97,20.6 129,20.3 129.01,20 129,19.7 128.96,19.4 128.9,19.11 128.82,18.82 128.72,18.54 128.6,18.27 128.46,18 128.3,17.75 128.12,17.51 127.92,17.29 127.71,17.08 127.48,16.89 127.24,16.72 126.99,16.56 126.72,16.43 126.45,16.31 126.17,16.21 125.88,16.14 125.59,16.09 125.3,16.06 125,16.05 124.69,16.07 124.38,16.1 124.08,16.17 123.78,16.26 123.49,16.37 123.22,16.5 122.95,16.65 122.69,16.82 122.45,17.02 122.23,17.23 122.02,17.46 121.83,17.7 121.67,17.96 121.52,18.23 121.39,18.51 121.29,18.79 121.21,19.09 121.15,19.39 121.12,19.69 121.11,20 121.13,20.3 121.17,20.61 121.23,20.91 121.31,21.2 121.42,21.48 121.55,21.76 121.7,22.02 121.88,22.27 122.07,22.51 122.27,22.73 122.5,22.93 122.74,23.11 122.99,23.28 123.25,23.42 123.53,23.55 123.81,23.65 124.1,23.73 124.4,23.78 124.7,23.82 125,23.82 125.3,23.81 125.6,23.77 125.89,23.71 126.18,23.63 126.46,23.52 126.73,23.39 126.99,23.24 127.23,23.07 127.47,22.89 127.68,22.68 127.88,22.46 128.06,22.23 128.23,21.98 128.37,21.72 128.49,21.45 128.59,21.17 128.67,20.88 128.72,20.59 128.75,20.3 128.76,20 128.75,19.71 128.71,19.41 128.65,19.12 128.57,18.84 128.46,18.57 128.34,18.3 128.19,18.05 128.02,17.8 127.84,17.57 127.64,17.36 127.42,17.17 127.19,16.99 126.94,16.83 126.69,16.69 126.42,16.57 126.15,16.47 125.87,16.39 125.58,16.34 125.29,16.31 125,16.3 124.69,16.32 124.39,16.36 124.09,16.42 123.8,16.51 123.52,16.63 123.25,16.76 122.99,16.92 122.74,17.1 122.51,17.3 122.3,17.52 122.11,17.75 121.94,18 121.78,18.26 121.65,18.53 121.55,18.81 121.46,19.1 121.41,19.4 121.37,19.7 121.36,20 121.38,20.3 121.42,20.6 121.48,20.89 121.57,21.18 121.68,21.45 121.82,21.72 121.97,21.98 122.15,22.22 122.35,22.44 122.56,22.65 122.79,22.84 123.03,23.01 123.29,23.16 123.56,23.29 123.83,23.39 124.12,23.48 124.41,23.53 124.7,23.57 125,23.57 125.29,23.56 125.59,23.52 125.88,23.46 126.16,23.37 126.43,23.26 126.69,23.13 126.94,22.97 127.18,22.8 127.4,22.61 127.61,22.4 127.79,22.17 127.96,21.93 128.11,21.68 128.23,21.42 128.33,21.14 128.41,20.86 128.47,20.58 128.5,20.29 128.51,20 128.5,19.71 128.46,19.42 128.4,19.14 128.31,18.86 128.2,18.6 128.07,18.34 127.92,18.09 127.75,17.86 127.56,17.64 127.36,17.44 127.14,17.26 126.9,17.09 126.65,16.95 126.39,16.83 126.12,16.72 125.85,16.65 125.57,16.59 125.29,16.56 125,16.55 124.7,16.57 124.4,16.61 124.11,16.68 123.82,16.77 123.55,16.89 123.29,17.03 123.04,17.19 122.8,17.38 122.58,17.58 122.38,17.8 122.21,18.04 122.05,18.3 121.91,18.56 121.8,18.84 121.72,19.12 121.66,19.41 121.62,19.7 121.61,20 121.63,20.29 121.67,20.59 121.74,20.87 121.83,21.15 121.95,21.42 122.08,21.68 122.25,21.93 122.43,22.16 122.63,22.37 122.84,22.57 123.08,22.74 123.33,22.9 123.59,23.03 123.86,23.14 124.14,23.22 124.42,23.28 124.71,23.32 125,23.32 125.29,23.31 125.58,23.27 125.86,23.2 126.13,23.11 126.4,23 126.65,22.86 126.89,22.7 127.12,22.53 127.33,22.33 127.52,22.11 127.69,21.89 127.84,21.64 127.97,21.39 128.08,21.12 128.16,20.85 128.22,20.57 128.25,20.28 128.26,20 128.25,19.72 128.21,19.43 128.14,19.16 128.05,18.89 127.94,18.63 127.81,18.38 127.65,18.14 127.48,17.92 127.28,17.72 127.07,17.53 126.85,17.36 126.61,17.21 126.36,17.08 126.1,16.98 125.83,16.9 125.56,16.84 125.28,16.81 125,16.8 124.71,16.82 124.41,16.86 124.13,16.93 123.85,17.03 123.58,17.15 123.33,17.3 123.09,17.47 122.86,17.66 122.66,17.87 122.48,18.09 122.31,18.34 122.17,18.59 122.06,18.86 121.97,19.14 121.91,19.42 121.87,19.71 121.86,20 121.88,20.29 121.92,20.58 121.99,20.86 122.09,21.13 122.21,21.39 122.35,21.64 122.52,21.88 122.7,22.09 122.91,22.29 123.13,22.47 123.37,22.63 123.62,22.77 123.88,22.88 124.16,22.97 124.43,23.03 124.72,23.07 125,23.07 125.28,23.06 125.56,23.02 125.84,22.95 126.11,22.85 126.36,22.74 126.61,22.6 126.84,22.43 127.05,22.25 127.25,22.05 127.42,21.83 127.58,21.6 127.71,21.35 127.82,21.09 127.91,20.83 127.97,20.55 128,20.28 128.01,20 128,19.72 127.95,19.45 127.89,19.18 127.8,18.92 127.68,18.67 127.54,18.43 127.38,18.2 127.2,17.99 127.01,17.8 126.79,17.63 126.56,17.47 126.32,17.34 126.07,17.24 125.81,17.15 125.54,17.09 125.27,17.06 125,17.05 124.71,17.07 124.43,17.11 124.15,17.19 123.88,17.29 123.62,17.42 123.37,17.57 123.15,17.74 122.94,17.94 122.75,18.15 122.58,18.38 122.44,18.63 122.32,18.89 122.23,19.16 122.16,19.44 122.12,19.72 122.11,20 122.13,20.28 122.18,20.56 122.25,20.83 122.35,21.1 122.47,21.35 122.62,21.59 122.79,21.81 122.98,22.02 123.19,22.2 123.42,22.37 123.66,22.51 123.91,22.62 124.18,22.71 124.45,22.78 124.72,22.82 125,22.82 125.28,22.81 125.55,22.76 125.82,22.69 126.08,22.6 126.32,22.47 126.56,22.33 126.77,22.16 126.98,21.98 127.16,21.77 127.32,21.55 127.45,21.31 127.57,21.06 127.65,20.81 127.72,20.54 127.75,20.27 127.76,20 127.75,19.73 127.7,19.46 127.63,19.2 127.54,18.95 127.42,18.71 127.28,18.48 127.11,18.26 126.93,18.07 126.73,17.89 126.51,17.74 126.28,17.6 126.04,17.49 125.79,17.41 125.53,17.34 125.27,17.31 125,17.3 124.72,17.32 124.44,17.37 124.17,17.44 123.91,17.55 123.66,17.68 123.43,17.84 123.21,18.02 123.02,18.22 122.85,18.44 122.7,18.67 122.58,18.92 122.48,19.18 122.41,19.45 122.37,19.72 122.36,20 122.38,20.28 122.43,20.55 122.5,20.81 122.61,21.07 122.73,21.31 122.89,21.54 123.06,21.75 123.26,21.94 123.47,22.1 123.7,22.25 123.95,22.37 124.2,22.46 124.46,22.53 124.73,22.57 125,22.57 125.27,22.56 125.53,22.51 125.79,22.44 126.04,22.34 126.28,22.21 126.5,22.06 126.7,21.89 126.89,21.7 127.05,21.49 127.19,21.27 127.31,21.03 127.4,20.78 127.47,20.52 127.5,20.26 127.51,20 127.49,19.74 127.45,19.48 127.38,19.23 127.28,18.98 127.16,18.75 127.01,18.54 126.85,18.34 126.66,18.16 126.45,18 126.24,17.86 126,17.75 125.76,17.66 125.51,17.6 125.26,17.56 125,17.55 124.73,17.57 124.46,17.62 124.2,17.7 123.94,17.81 123.71,17.94 123.49,18.11 123.29,18.29 123.11,18.49 122.96,18.72 122.83,18.96 122.73,19.21 122.66,19.47 122.62,19.73 122.61,20 122.63,20.27 122.68,20.53 122.76,20.78 122.87,21.03 123,21.26 123.15,21.47 123.33,21.67 123.53,21.84 123.75,21.99 123.98,22.11 124.23,22.21 124.48,22.28 124.74,22.31 125,22.32 125.26,22.31 125.52,22.26 125.76,22.18 126,22.08 126.23,21.95 126.43,21.8 126.62,21.62 126.79,21.43 126.93,21.22 127.05,20.99 127.15,20.75 127.21,20.51 127.25,20.25 127.26,20 127.24,19.75 127.2,19.5 127.12,19.26 127.02,19.03 126.9,18.81 126.75,18.61 126.58,18.42 126.39,18.26 126.18,18.12 125.96,18 125.73,17.91 125.49,17.85 125.25,17.81 125,17.8 124.74,17.82 124.48,17.87 124.22,17.96 123.99,18.07 123.76,18.21 123.56,18.37 123.38,18.56 123.22,18.77 123.09,19 122.99,19.24 122.92,19.49 122.87,19.74 122.86,20 122.88,20.26 122.93,20.51 123.01,20.75 123.12,20.98 123.26,21.2 123.42,21.4 123.6,21.57 123.81,21.73 124.03,21.85 124.26,21.95 124.5,22.02 124.75,22.06 125,22.07 125.25,22.06 125.49,22.01 125.73,21.93 125.96,21.82 126.17,21.69 126.36,21.53 126.53,21.35 126.68,21.16 126.8,20.94 126.9,20.72 126.96,20.48 127,20.24 127.01,20 126.99,19.76 126.94,19.52 126.87,19.29 126.76,19.07 126.64,18.87 126.48,18.68 126.31,18.52 126.12,18.38 125.92,18.26 125.7,18.16 125.47,18.1 125.24,18.06 125,18.05 124.75,18.07 124.5,18.13 124.26,18.21 124.04,18.33 123.83,18.47 123.64,18.64 123.48,18.84 123.35,19.05 123.24,19.27 123.17,19.51 123.12,19.75 123.11,20 123.13,20.25 123.19,20.49 123.27,20.72 123.38,20.93 123.52,21.13 123.69,21.31 123.87,21.47 124.08,21.6 124.3,21.7 124.52,21.77 124.76,21.81 125,21.82 125.24,21.8 125.47,21.75 125.69,21.67 125.9,21.56 126.1,21.43 126.27,21.27 126.42,21.09 126.54,20.89 126.64,20.68 126.71,20.46 126.75,20.23 126.76,20 126.74,19.77 126.69,19.55 126.61,19.33 126.51,19.13 126.38,18.94 126.22,18.78 126.05,18.63 125.86,18.51 125.66,18.41 125.44,18.35 125.22,18.31 125,18.3 124.76,18.32 124.52,18.38 124.3,18.47 124.09,18.59 123.91,18.74 123.74,18.91 123.6,19.1 123.49,19.31 123.42,19.54 123.37,19.77 123.36,20 123.38,20.23 123.44,20.46 123.53,20.67 123.64,20.87 123.78,21.05 123.95,21.21 124.14,21.34 124.34,21.45 124.55,21.52 124.78,21.56 125,21.57 125.22,21.55 125.44,21.5 125.65,21.42 125.84,21.31 126.01,21.17 126.16,21.01 126.29,20.83 126.39,20.64 126.46,20.43 126.5,20.22 126.51,20 126.49,19.79 126.44,19.58 126.36,19.38 126.25,19.19 126.12,19.03 125.97,18.88 125.8,18.76 125.61,18.67 125.41,18.6 125.21,18.56 125,18.55 125,18.6 124.63,18.97 124.59,18.98